# KiCad board keyboard.kicad_pcb (continued)
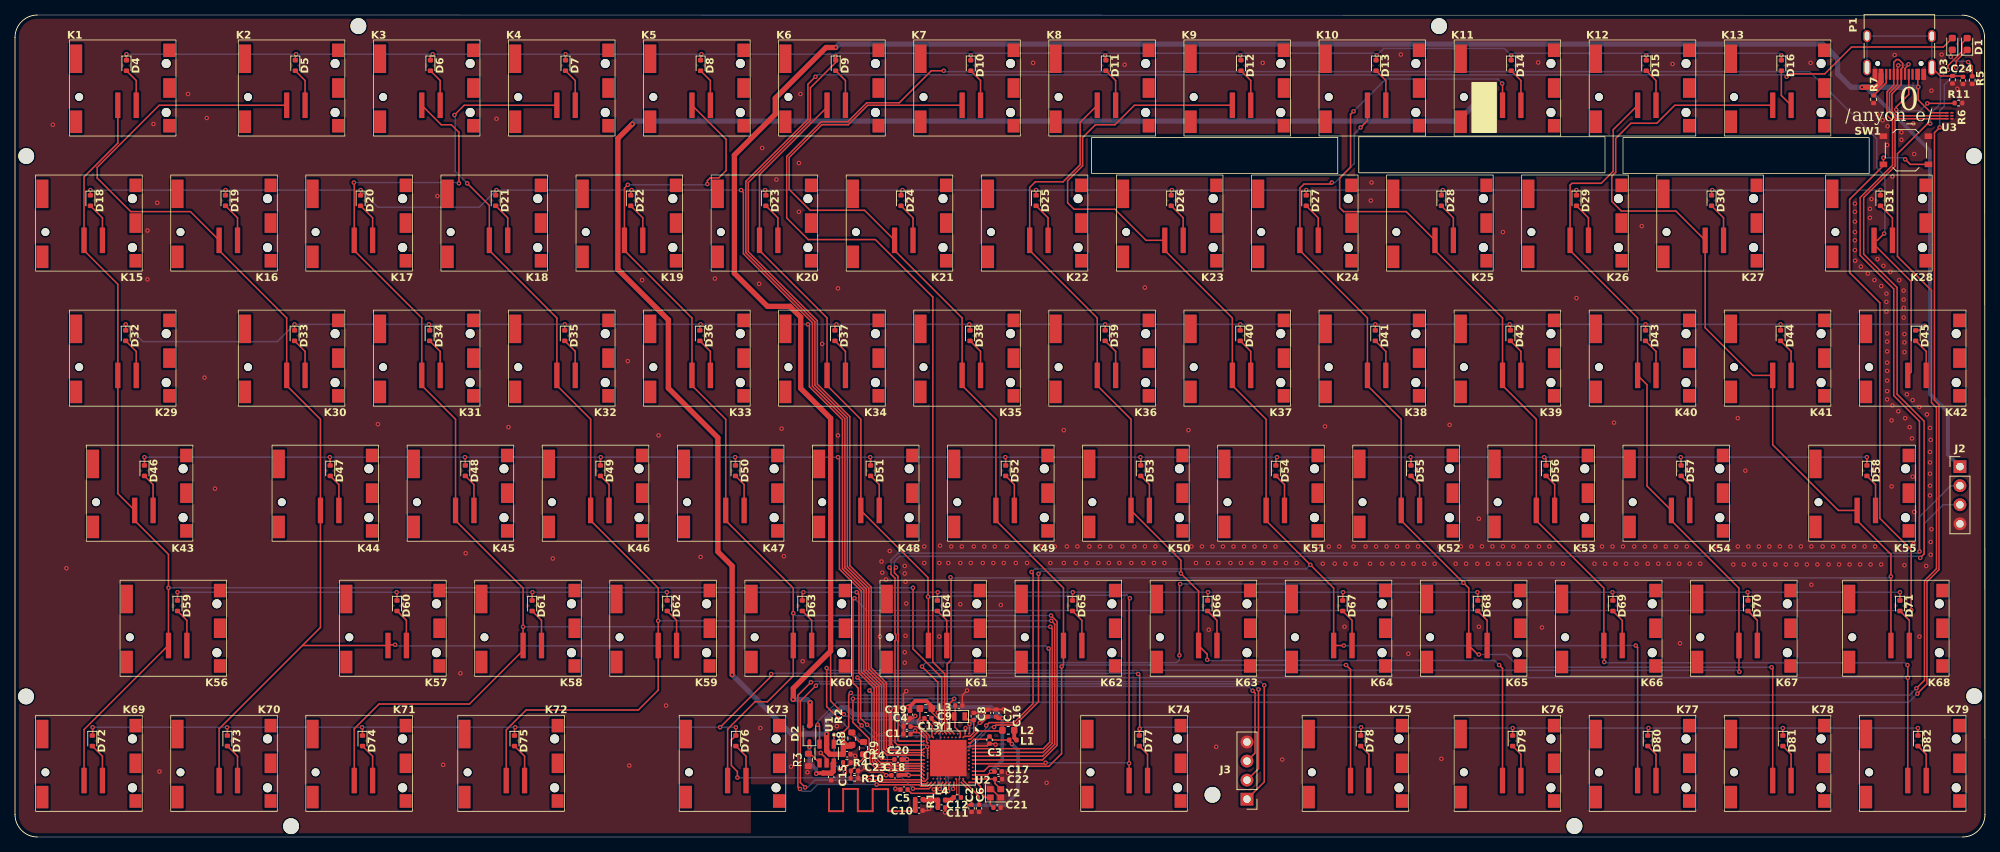
[diagram p0: board, top side]
## Nets (continued)
Net-(D64-A): D64.2 K61.2
Net-(D65-A): D65.2 K62.2
Net-(D66-A): D66.2 K63.2
Net-(D67-A): D67.2 K64.2
Net-(D68-A): D68.2 K65.2
Net-(D69-A): D69.2 K66.2
Net-(D70-A): D70.2 K67.2
Net-(D71-A): D71.2 K68.2
Net-(D72-A): D72.2 K69.2
Net-(D73-A): D73.2 K70.2
Net-(D74-A): D74.2 K71.2
Net-(D75-A): D75.2 K72.2
Net-(D76-A): D76.2 K73.2
Net-(D77-A): D77.2 K74.2
Net-(D78-A): D78.2 K75.2
Net-(D79-A): D79.2 K76.2
Net-(D80-A): D80.2 K77.2
Net-(D81-A): D81.2 K78.2
Net-(D82-A): D82.2 K79.2
Net-(L1-Pad2): L1.2 L2.1
Net-(P1-SHIELD): C24.1 P1.S1 R11.2
Net-(R8-Pad2): R8.2 R9.1
Net-(U1-ISET): R3.2 U1.4
Net-(U1-TS): R4.2 U1.1
Net-(U2-ANT): C12.2 L4.2 U2.H23
Net-(U2-DCC): L2.2 U2.B3
Net-(U2-DCCH): L3.2 U2.AB2
Net-(U2-DEC1): C7.1 U2.C1
Net-(U2-DEC3): C6.1 U2.D23
Net-(U2-DEC4): C2.2 C3.2 L1.1 U2.B5 U2.E24
Net-(U2-DEC5): C5.1 U2.N24
Net-(U2-DECUSB): C4.1 U2.AC5
Net-(U2-XC1): C21.1 U2.B24 Y2.1
Net-(U2-XC2): C22.1 U2.A23 Y2.3
Net-(U2-XL1/P0.00): C8.2 U2.D2 Y1.1
Net-(U2-XL2/P0.01): C9.2 U2.F2 Y1.2

Pads without a net: K1 3; K2 3; K3 3; K4 3; K5 3; K6 3; K7 3; K8 3; K9 3; K10 3; K11 3; K12 3; K13 3; K15 3; K16 3; K17 3; K18 3; K19 3; K20 3; K21 3; K22 3; K23 3; K24 3; K25 3; K26 3; K27 3; K28 3; K29 3; K30 3; K31 3; K32 3; K33 3; K34 3; K35 3; K36 3; K37 3; K38 3; K39 3; K40 3; K41 3; K42 3; K43 3; K44 3; K45 3; K46 3; K47 3; K48 3; K49 3; K50 3; K51 3; K52 3; K53 3; K54 3; K55 3; K56 3; K57 3; K58 3; K59 3; K60 3; K61 3; K62 3; K63 3; K64 3; K65 3; K66 3; K67 3; K68 3; K69 3; K70 3; K71 3; K72 3; K73 3; K74 3; K75 3; K76 3; K77 3; K78 3; K79 3; P1 A8 B8; U2 A18 AC15 AC17 AC19 B9 B11 B13 B15 B17 B19 G1 H2 K2 M2 P2 P23 R1 T2 T23 V23 Y23; U3 2 3

## Via types
v1: diameter 0.6, hole 0.3, Top to Bottom, 571 vias

## Routing (per net, layer and track width the routed paths; a pad name or vN(x,y) marks a point on that pad's centre or on a via; arc(x,y) is an arc through that point)
GND: length 35.2
  Top w0.127: R10.2 112.33,7.85 C23.1 112.81,8.82 v1(113.29,9.3) 113.94,8.65 115.65,8.65 v1(116.07,8.24) ; C20.1 115.68,10.32 v1(115.48,10.52) ; C14.2 111.75,11.02 v1(111.95,10.82)
  Top w0.2: v1(122.55,15.22) 122.13,15.64 C13.1 ; U1.5 108.15,10.42 v1(107.35,11.22) ; C10.1 121.55,3.52 v1(121.8,3.77) ; v1(130.65,12.32) 130.53,12.44 C3.1 129.55,12.15 127.22,12.15 U2.B7 ; C4.2 118.37,19.06 v1(118.75,19.44) ; C4.2 119.25,15.6 C19.1 119.67,15.84 v1(119.95,16.12) ; C4.2 C1.1 ; Y2.4 130.12,6.37 131.22,5.27 Y2.2 ; v1(126.85,19.52) 126.23,18.9 C9.1 ; v1(123.93,3.27) C11.1 ; v1(117.3,6.44) 117.85,6.44 C5.2 ; v1(110.58,8.68) 110.58,9.15 R4.1 ; v1(131.75,17.02) 131.73,17 C16.1 C7.2 129.2,16.55 C8.1 ; C18.1 116.08,8.22 v1(116.07,8.24)
  vias: v1(5.05,94.92) v1(6.85,35.82) v1(17.65,80.82) v1(17.65,74.32) v1(18.45,95.02) v1(18.95,84.52) v1(19.25,8.72) v1(23.05,99.02) v1(25.25,61.22) v1(25.55,95.82) v1(26.65,46.42) v1(48.35,55.02) v1(56.28,85.42) v1(57.05,9.62) v1(59.35,21.82) v1(60.05,37.82) v1(64.15,95.72) v1(65.75,54.62) v1(71.65,37.12) v1(81.65,63.42) v1(81.85,9.52) v1(83.55,74.22) v1(85.75,53.52) v1(86.75,17.52) v1(91.35,37.32) v1(93.25,74.42) v1(99.15,73.72) v1(99.3,14.52) v1(99.55,91.82) v1(101.45,87.62) v1(102.15,54.42) v1(102.45,37.42) v1(103.4,9.37) v1(104.45,89.82) v1(104.45,83.32) v1(104.65,99.02) v1(104.95,23.42) v1(105.58,8.62) v1(107.55,65.72) v1(109.51,14.78) v1(109.65,73.12) v1(109.65,53.52) v1(115.25,26.72) v1(115.45,36.72) v1(115.55,35.22) v1(116.05,34.32) v1(116.55,38.12) v1(118.55,36.12) v1(118.55,35.12) v1(118.55,24.62) v1(118.55,23.22) v1(118.65,34.02) v1(118.65,26.82) v1(118.75,31.12) v1(119.55,38.72) v1(121.15,38.72) v1(121.15,36.52) v1(123.15,36.52) v1(123.15,26.72) v1(123.25,38.82) v1(124.35,36.52) v1(124.75,38.72) v1(125.95,36.52) v1(125.95,31.02) v1(126.15,38.72) v1(127.35,36.52) v1(127.75,38.72) v1(128.95,36.52) v1(129.15,38.72) v1(130.35,36.52) v1(130.55,38.72) v1(131.35,30.92) v1(131.75,36.52) v1(132.15,38.72) v1(132.3,8.52) v1(133.35,36.52) v1(134.85,36.52) v1(135.45,14.12) v1(135.65,103.17) v1(136.75,38.72) v1(137.45,7.22) v1(137.95,36.52) v1(138.55,38.72) v1(139.75,54.22) v1(139.75,36.52) v1(140.15,38.72) v1(141.35,36.52) v1(141.55,38.72) v1(142.75,36.52) v1(143.15,38.72) v1(144.35,36.52) v1(144.55,38.72) v1(145.75,36.52) v1(145.95,38.72) v1(147.15,36.52) v1(147.55,38.72) v1(147.85,102.92) v1(148.75,36.52) v1(149.15,38.72) v1(150.35,36.52) v1(150.55,73.22) v1(150.55,38.72) v1(151.75,36.52) v1(151.95,38.72) v1(153.15,36.52) v1(155.15,38.72) v1(156.35,54.22) v1(156.75,38.72) v1(157.35,36.52) v1(158.15,38.72) v1(158.95,36.52) v1(159.05,27.62) v1(159.55,38.72) v1(160.05,12.02) v1(160.35,36.52) v1(160.95,38.72) v1(161.95,36.52) v1(162.35,38.72) v1(163.35,36.52) v1(163.75,38.72) v1(164.75,36.52) v1(165.15,38.72) v1(166.25,103.17) v1(166.35,36.52) v1(166.55,38.72) v1(167.95,38.72) v1(167.95,36.52) v1(168.85,10.32) v1(169.35,36.52) v1(170.75,36.52) v1(172.25,38.72) v1(173.65,38.72) v1(174.25,36.42) v1(174.55,54.72) v1(175.05,38.72) v1(175.85,36.42) v1(176.45,38.72) v1(177.15,28.02) v1(177.25,36.42) v1(178.35,38.72) v1(178.65,36.42) v1(179.95,38.72) v1(180.55,36.42) v1(180.65,84.82) v1(180.75,87.22) v1(181.35,38.72) v1(182.15,36.42) v1(182.75,38.72) v1(183.55,36.42) v1(184.15,38.72) v1(184.65,104.27) v1(184.95,36.42) v1(185.55,38.72) v1(185.65,24.42) v1(186.35,36.42) v1(186.95,38.72) v1(187.75,36.42) v1(189.15,36.42) v1(189.75,38.72) v1(190.05,10.42) v1(191.15,54.92) v1(191.15,38.72) v1(191.95,36.42) v1(192.65,38.72) v1(193.35,36.42) v1(194.05,38.72) v1(194.85,96.22) v1(194.85,95.42) v1(194.85,94.62) v1(194.85,36.42) v1(195.05,42.42) v1(195.05,28.02) v1(195.45,38.72) v1(195.75,96.22) v1(195.75,95.42) v1(195.75,94.62) v1(196.25,36.42) v1(196.65,96.22) v1(196.65,95.42) v1(196.65,94.62) v1(196.85,38.72) v1(197.65,36.42) v1(198.25,80.62) v1(198.25,38.72) v1(199.05,36.42) v1(199.65,38.72) v1(200.45,36.42) v1(201.45,38.72) v1(201.85,36.42) v1(202.95,103.22) v1(203.05,38.72) v1(203.25,36.42) v1(203.45,27.92) v1(204.45,38.72) v1(204.85,36.42) v1(206.25,36.42) v1(208.05,71.82) v1(208.65,38.72) v1(210.05,38.72) v1(210.45,36.42) v1(211.45,38.72) v1(211.85,36.42) v1(212.85,38.72) v1(213.05,55.22) v1(213.25,36.42) v1(214.25,38.72) v1(214.65,36.42) v1(215.75,38.72) v1(216.05,36.42) v1(216.75,81.42) v1(217.15,38.72) v1(217.55,36.42) v1(218.55,38.72) v1(218.95,36.42) v1(219.95,38.72) v1(220.35,36.42) v1(220.85,103.02) v1(221.35,38.72) v1(221.75,36.42) v1(221.85,25.82) v1(222.75,38.72) v1(223.15,36.42) v1(224.55,36.42) v1(226.55,38.72) v1(228.15,38.72) v1(228.95,36.32) v1(229.55,55.82) v1(229.55,38.72) v1(230.35,36.32) v1(230.55,48.82) v1(230.95,38.72) v1(231.75,36.32) v1(232.35,38.72) v1(233.15,36.32) v1(233.75,38.72) v1(234.55,36.32) v1(235.15,38.72) v1(235.95,36.32) v1(236.55,38.72) v1(237.35,36.32) v1(237.95,38.72) v1(238.75,36.32) v1(239.25,103.17) v1(239.35,38.72) v1(239.35,33.62) v1(240.15,36.32) v1(240.85,38.72) v1(241.65,36.32) v1(242.25,38.72) v1(243.05,36.32) v1(243.65,38.72) v1(244.45,36.32) v1(245.05,38.72) v1(245.15,84.42) v1(245.15,83.32) v1(245.15,82.02) v1(245.15,80.62) v1(245.15,79.52) v1(245.15,78.22) v1(245.17,76.8) v1(245.85,36.32) v1(245.95,76.02) v1(246.45,38.72) v1(246.87,75.1) v1(247.15,83.72) v1(247.15,82.52) v1(247.25,36.32) v1(247.35,85.02) v1(247.75,74.22) v1(247.85,38.72) v1(248.15,96.32) v1(248.15,77.02) v1(248.65,73.42) v1(248.65,36.32) v1(248.85,95.52) v1(248.95,76.12) v1(249.35,72.42) v1(249.35,71.32) v1(249.35,70.02) v1(249.45,92.22) v1(249.45,67.12) v1(249.45,66.02) v1(249.45,64.72) v1(249.45,63.22) v1(249.45,62.12) v1(249.45,60.82) v1(249.45,59.42) v1(249.45,58.32) v1(249.5,94.72) v1(249.85,75.32) v1(250.05,55.52) v1(250.05,46.72) v1(250.15,88.02) v1(250.15,57.52) v1(250.45,104.21) v1(250.75,38.72) v1(250.93,56.74) v1(251.05,74.22) v1(251.35,93.92) v1(251.35,92.92) v1(251.65,72.82) v1(251.65,71.62) v1(251.65,70.52) v1(251.65,69.22) v1(251.75,67.02) v1(251.75,65.92) v1(251.75,64.62) v1(251.75,36.22) v1(251.85,55.82) v1(252.07,59) v1(252.45,54.62) v1(252.75,53.12) v1(252.85,58.22) v1(252.85,48.02) v1(252.93,95.1) v1(252.95,39.02) v1(253.05,91.02) v1(253.05,43.32) v1(253.75,57.32) v1(253.75,26.72) v1(254.65,36.12) v1(254.75,56.32) v1(255.15,54.52) v1(255.15,51.32) v1(255.15,49.92) v1(255.15,48.42) v1(255.15,46.82) v1(255.15,45.52) v1(255.25,52.92) v1(255.25,39.32) v1(255.25,37.62) v1(255.35,99.47) v1(255.35,41.02) v1(256.71,104.28) v1(258.8,99.72)
VBAT: length 239.3
  Top w0.2: U2.Y2 122.18,13.44 122.18,14.81 C13.2 121.17,15.72 v1(120.78,15.33)
  Top w0.7: v1(82.25,95.02) 80.33,93.1 80.33,75.64 87.05,68.92 87.05,59.82 93.65,53.22 93.65,38.02 95.55,36.12 v1(95.55,21.62) ; v1(108.15,13.72) U1.2 108.15,11.45 108.58,11.02 C14.1 110.36,12.61 R2.1 110.86,12.11 111.45,12.11
  Bottom w0.7: v1(82.25,95.02) 82.64,95.41 192.24,95.41 TP5.1 ; v1(120.78,15.33) 120.76,15.34 118.33,15.34 117.35,16.32 111.77,16.32 111.42,16.66 111.29,16.66 111.29,16.71 110.79,17.21 110.09,17.21 109.63,16.75 109.13,16.75 108.15,15.77 v1(108.15,13.72) 103.45,13.72 v1(95.55,21.62)
  vias: v1(194.85,99.82) v1(194.85,99.02) v1(194.85,98.22) v1(195.75,99.82) v1(195.75,99.02) v1(195.75,98.22) v1(196.65,99.82) v1(196.65,99.02) v1(196.65,98.22)
VBUS: length 346.2
  Top w0.2: v1(119.94,14.18) 119.94,14.03 120.05,13.92 ; v1(110.44,16.36) 108.67,18.13 108.67,24.78 ; U2.AD2 120.45,13.92 120.05,13.92 ; U3.4 255.3,96.52 253.58,98.24 v1(253.58,99.96) 253.53,100.01 P1.A4 ; 120.05,13.92 119.53,13.92 C1.2
  Top w0.7: D2.2 105.95,14.92 v1(105.95,17.92) ; P1.A9 248.63,100.63 247.92,99.92 v1(246.09,99.92) ; v1(109.35,105.22) 108.06,105.22 101.3,98.46 101.3,96.33 95.85,90.88 95.85,75.12 100.25,70.72 103.25,70.72 104.69,69.28 104.69,59.78 108.67,55.8 108.67,24.78 103.7,19.81 103.7,18.36 v1(103.67,18.33)
  Bottom w0.2: v1(110.44,16.36) 110.72,16.09 111.18,16.09 111.64,15.63 117.22,15.63 118.67,14.18 v1(119.94,14.18)
  Bottom w0.5: 247.55,99.07 255.15,91.47 255.15,85.56 255.2,85.51 255.2,84.65 255.15,84.6 255.15,79.04 255.2,78.99 255.2,78.13 255.15,78.08 255.15,59.02 257.55,56.62 257.55,50.96 J2.1
  Bottom w0.7: v1(246.09,99.92) 246.7,99.92 247.55,99.07 ; v1(246.09,99.92) 244.64,99.92 242.84,101.72 242.84,103.73 240.9,105.67 109.8,105.67 v1(109.35,105.22) ; v1(246.09,99.92) 253.54,99.92 v1(253.58,99.96) ; v1(105.95,17.92) 105.54,18.33 v1(103.67,18.33)
VDD_NRF: length 60.3
  Top w0.2: U2.AD23 120.65,8.22 C18.2 ; U2.W1 123.15,14.32 123.15,15.63 122.14,16.65 L3.1 ; U2.AD14 118.94,10.27 v1(118.85,10.36) ; U2.B1 127.18,13.85 v1(127.18,15.05) ; U2.A22 129.6,8.27 v1(130.05,8.72)
  Top w0.5: v1(130.05,8.72) C17.2 ; C18.2 117.79,8.28 119.02,8.28 v1(119.07,8.24) ; 119.25,17.42 119.95,18.12 121.45,18.12 122.14,17.43 L3.1 ; 119.25,17.42 119.05,17.42 v1(118.95,17.32) ; 119.25,17.42 C19.2 ; C20.2 118.81,10.32 v1(118.85,10.36) ; C16.2 130.97,15.82 v1(131.55,15.82) ; v1(116.65,17.1) 116.65,12.23 v1(116.78,12.1)
  Bottom w0.5: v1(116.78,12.1) 117.58,11.3 117.91,11.3 v1(118.85,10.36) 118.85,8.46 v1(119.07,8.24) ; v1(131.55,15.82) 131.55,10.22 v1(130.05,8.72) ; v1(131.55,15.82) 130.05,17.32 v1(118.95,17.32) 116.87,17.32 v1(116.65,17.1) ; v1(131.55,15.82) 131.32,16.05 128.18,16.05 v1(127.18,15.05)
VSS_PA: length 2.3
  Top w0.127: U2.F23 125.78,7.7 125.78,5.52
/Key Matrix/Col_0: length 221.6
  Top w0.2: U2.U1 123.48,14.15 123.48,21.24 119.65,25.07 v1(119.65,33.22) ; K1.1 13.7,92.47 9.2,87.97 K15.1 9.2,78.17 13.7,73.67 K29.1 13.7,45.77 K43.1 15.95,42.17 20.45,37.67 v1(20.45,33.22) K56.1 20.4,25.52 9.2,14.32 K69.1
  Bottom w0.2: v1(119.65,33.22) v1(20.45,33.22)
/Key Matrix/Col_1: length 255.8
  Top w0.2: v1(50.65,25.62) 49.8,25.62 K57.1 38.3,25.52 ; v1(137.72,25.12) 137.87,24.97 137.87,12.63 137.01,11.77 U2.A8 ; 38.3,25.52 27.2,14.42 K70.1 ; 38.3,25.52 40.7,27.92 K44.1 40.7,55.67 36.2,60.17 K30.1 36.2,69.17 27.2,78.17 K16.1 23.37,83.35 15.42,83.35 10.95,87.82 10.95,89.26 19.21,97.52 K2.1
  Bottom w0.2: v1(137.72,25.12) 137.38,25.46 50.81,25.46 v1(50.65,25.62)
/Key Matrix/Col_2: length 229.7
  Top w0.2: v1(137.95,28.02) 138.19,27.77 138.19,12.49 136.97,11.27 U2.A10 ; K3.1 56.8,94.92 58.15,94.92 59.15,93.92 v1(59.15,87.12) ; K71.1 45.2,14.42 48.5,17.72 60.55,17.72 67.7,24.87 K58.1 v1(67.7,28.02) 67.7,33.17 58.7,42.17 K45.1 58.7,55.67 54.2,60.17 K31.1 54.2,69.17 45.2,78.17 K17.1 45.2,87.17 v1(45.15,87.22)
  Bottom w0.2: v1(137.95,28.02) v1(67.7,28.02) ; v1(45.15,87.22) 59.05,87.22 v1(59.15,87.12)
/Key Matrix/Col_3: length 211.9
  Top w0.2: K4.1 59.85,97.52 v1(58.55,96.22) ; v1(138.07,28.82) 138.52,28.37 138.52,12.36 136.94,10.77 U2.A12 ; K72.1 65.45,14.27 68.1,16.92 83.05,16.92 85.7,19.57 K59.1 v1(85.7,28.82) 85.7,33.17 76.7,42.17 K46.1 76.7,55.67 72.2,60.17 K32.1 72.2,69.17 63.2,78.17 K18.1 63.2,84.17 v1(60.25,87.12)
  Bottom w0.2: v1(60.25,87.12) 58.65,88.72 58.65,96.12 v1(58.55,96.22) ; v1(138.07,28.82) 85.7,28.82 v1(85.7,28.82)
/Key Matrix/Col_4: length 182.4
  Top w0.2: K73.1 94.95,14.37 98.6,18.02 100.25,18.02 103.7,21.47 K60.1 v1(103.7,29.82) 103.7,33.17 94.7,42.17 K47.1 94.7,55.67 90.2,60.17 K33.1 90.2,69.17 81.2,78.17 K19.1 81.2,86.47 v1(81.65,86.92) ; v1(92.25,87.02) 92.25,87.47 92.62,87.85 93.78,87.85 94.75,88.82 94.75,92.97 K5.1 ; v1(138.05,29.52) 138.85,28.72 138.85,12.22 136.9,10.27 U2.A14
  Bottom w0.2: v1(138.05,29.52) 104,29.52 v1(103.7,29.82) ; v1(92.25,87.02) 92.15,86.92 v1(81.65,86.92)
/Key Matrix/Col_5: length 157.6
  Top w0.2: v1(137.32,9.9) 137.2,9.77 U2.A16 ; K6.1 108.2,97.27 99.2,88.27 K20.1 99.2,78.17 108.2,69.17 K34.1 108.2,60.17 112.7,55.67 K48.1 121.65,34.57 v1(121.65,32.02) 121.7,31.97 K61.1 ; v1(148.55,31.82) 148.45,31.72 v1(148.45,9.82) K74.1
  Bottom w0.2: v1(148.55,31.82) 148.15,32.22 141.4,32.22 141.2,32.02 140.7,32.02 140.6,32.12 123.3,32.12 123.2,32.02 v1(121.65,32.02) ; v1(148.45,9.82) 148.37,9.9 v1(137.32,9.9)
/Key Matrix/Col_6: length 191.3
  Top w0.2: v1(177.35,22.92) 177.95,22.32 K75.1 ; U2.A20 129.1,8.77 129.75,9.42 137.75,9.42 139.45,11.12 v1(139.45,22.72) 139.7,22.97 K62.1 139.7,33.17 130.7,42.17 K49.1 130.7,55.67 126.2,60.17 K35.1 126.2,69.17 117.2,78.17 K21.1 113.2,83.52 105.94,83.52 103.15,86.31 103.15,90.57 107.5,94.92 111.02,94.92 113.62,97.52 K7.1
  Bottom w0.2: v1(139.45,22.72) 139.65,22.92 v1(177.35,22.92)
/Key Matrix/Col_7: length 200.1
  Top w0.2: U2.J24 125.1,6.54 v1(124.98,6.42) ; v1(197.75,22.92) 198.2,22.47 K76.1 ; K8.1 141.92,95.24 141.92,89.59 139.65,87.32 135.95,87.32 135.2,86.57 K22.1 135.2,78.17 144.2,69.17 K36.1 144.2,60.17 148.7,55.67 K50.1 155.35,36.87 v1(155.35,35.12) 157.7,32.77 K63.1 158.85,24.37 v1(158.85,23.62) ; v1(130.45,14.65) 130.72,14.92 133.25,14.92 136.37,18.04 v1(136.37,35.08)
  Bottom w0.2: v1(197.75,22.92) 197.15,23.52 158.95,23.52 v1(158.85,23.62) ; v1(136.37,35.08) 136.69,35.39 155.08,35.39 v1(155.35,35.12) ; v1(124.98,6.42) 124.35,7.05 124.35,8.95 130.05,14.65 v1(130.45,14.65)
/Key Matrix/Col_8: length 243
  Top w0.2: U2.L24 124.43,7.1 124.43,6.2 v1(124.33,6.1) ; K77.1 216.2,25.27 v1(215.95,25.52) ; v1(135.45,35.32) 135.65,35.12 135.65,17.78 133.11,15.25 129.81,15.25 v1(129.41,14.85) ; v1(177.05,25.52) K64.1 175.7,33.17 v1(172.6,36.27) 166.7,42.17 K51.1 166.7,55.67 162.2,60.17 K37.1 162.2,69.17 153.2,78.17 K23.1 150.69,79.52 146.55,83.67 141.1,83.67 140.25,84.52 140.25,87.46 142.25,89.46 142.25,93.22 143.95,94.92 146.55,94.92 149.15,97.52 K9.1
  Bottom w0.2: v1(124.33,6.1) 124.02,6.41 124.02,9.09 129.41,14.48 v1(129.41,14.85) ; v1(215.95,25.52) 213.87,25.52 213.86,25.51 177.06,25.51 v1(177.05,25.52) ; v1(172.6,36.27) 172.05,35.72 135.85,35.72 v1(135.45,35.32)
/Key Matrix/Col_9: length 245.1
  Top w0.2: v1(155.15,24.22) 155.15,33.62 v1(155.25,33.72) ; v1(234.05,22.62) 234.2,22.47 K78.1 ; v1(123.22,6.4) 123.43,6.61 123.43,7.1 U2.R24 ; v1(175.45,87.22) 175.25,87.02 171.75,87.02 171.2,86.47 K24.1 171.2,78.17 180.2,69.17 K38.1 180.2,60.17 184.7,55.67 K52.1 184.7,42.17 v1(193,33.87) 193.7,33.17 K65.1 194.9,24.32 v1(195.05,24.32) ; K10.1 180.2,95.47 v1(179.29,94.56) ; v1(120.85,22.72) 122.95,20.62 v1(122.95,16.58)
  Bottom w0.2: v1(120.85,22.72) 121.38,23.25 154.78,23.25 155.15,23.62 v1(155.15,24.22) ; v1(195.05,24.32) 198.72,24.32 200.42,22.62 v1(234.05,22.62) ; v1(193,33.87) 192.85,33.72 v1(155.25,33.72) ; v1(175.45,87.22) 175.9,87.22 178.45,89.77 178.45,93.72 v1(179.29,94.56) ; v1(123.22,6.4) 123.3,6.48 123.3,16.23 v1(122.95,16.58)
/Key Matrix/Col_10: length 338.8
  Top w0.2: v1(211.75,23.32) 211.75,24.12 211.7,24.17 K66.1 211.7,33.17 202.7,42.17 K53.1 202.7,55.67 198.2,60.17 K39.1 198.2,69.17 189.2,78.17 K25.1 185.37,83.35 177.02,83.35 176.5,83.87 176.5,87.82 177.95,89.27 177.95,96.32 v1(178.35,96.72) ; v1(112.25,21.25) 112.67,20.83 112.67,15.83 v1(113.54,14.95) ; K11.1 198.2,100.37 v1(198.15,100.42) ; v1(122.42,6.35) 123.1,7.02 U2.U24 ; K79.1 v1(252.2,21.22) 252.2,22.87 v1(252.15,22.92)
  Bottom w0.2: v1(112.25,21.25) 112.25,21.24 252.18,21.24 v1(252.2,21.22) ; v1(178.35,96.72) 182.65,101.02 197.55,101.02 v1(198.15,100.42) ; v1(113.54,14.95) 115,13.5 121.21,13.5 122.95,11.75 122.95,6.88 v1(122.42,6.35) ; v1(211.75,23.32) 211.85,23.22 251.85,23.22 v1(252.15,22.92)
/Key Matrix/Col_11: length 237.7
  Top w0.2: v1(119.65,6.44) 119.65,6.44 121.77,6.44 U2.W24 ; v1(109.77,15.76) 108.15,17.38 v1(108.15,22.52) ; K12.1 212.95,94.27 212.95,88.72 211.35,87.12 207.45,87.12 207.2,86.87 K26.1 207.2,78.17 216.2,69.17 K40.1 217.45,60.27 217.45,46.77 K54.1 220.7,42.17 229.7,33.17 K67.1 229.7,22.07 v1(229.75,22.02)
  Bottom w0.2: v1(108.15,22.52) 108.47,22.19 149.45,22.19 149.45,22.2 229.57,22.2 v1(229.75,22.02) ; v1(109.77,15.76) 114.29,11.24 115.87,11.24 116.23,10.88 116.23,9.86 v1(119.65,6.44)
/Key Matrix/Col_12: length 259.9
  Top w0.2: U2.L1 124.2,14.17 124.2,23.07 124.73,23.59 124.73,34.54 v1(124.65,34.62) ; K68.1 v1(249.95,34.72) 249.95,37.67 245.45,42.17 K55.1 242.95,43.52 234.2,52.27 K41.1 231.55,61.52 225.2,67.87 K27.1 221.3,83.42 214.04,83.42 212.75,84.71 212.75,88.06 213.28,88.58 213.28,93.1 215.3,95.12 218.75,95.12 221.15,97.52 K13.1
  Bottom w0.2: v1(249.95,34.72) 249.75,34.52 124.75,34.52 v1(124.65,34.62)
/Key Matrix/Col_13: length 279.8
  Top w0.2: K42.1 252.65,61.97 252.65,74.02 247.7,78.97 K28.1 248.15,79.52 v1(249.05,80.42) ; U2.N1 123.87,14 123.87,21.75 122.29,23.33 122.29,71.96 114.63,79.62 105.69,79.62 102.82,82.49 102.82,90.7 107.44,95.32 110.95,95.32 113.48,97.85 117.81,97.85 122.09,102.12 v1(123.75,102.12)
  Bottom w0.2: v1(123.75,102.12) 123.87,102 239.12,102 248.05,93.07 248.05,89.22 249.15,88.12 249.15,80.52 v1(249.05,80.42)
/Key Matrix/Row_0: length 341.9
  Top w0.2: D15.1 v1(217.35,104.17) ; D13.1 181.35,104.07 v1(181.45,104.17) ; v1(109.31,104.06) 109.35,104.02 D9.1 109.35,103.22 105.98,99.85 105.98,95.51 97.7,87.24 97.7,78.01 106.9,68.81 106.9,60.35 111.23,56.03 111.23,36.17 114.08,33.31 114.08,22.55 116.11,20.52 116.11,11.89 116.42,11.57 120.9,11.57 U2.AD8 ; D8.1 91.35,104.22 v1(91.45,104.32) ; D14.1 v1(199.35,104.17) ; D12.1 163.35,104.07 v1(163.25,104.17) ; v1(55.65,104.32) 55.35,104.02 D6.1 ; v1(37.45,104.32) 37.35,104.22 D5.1 ; D4.1 v1(14.85,104.32) ; v1(145.25,104.17) 145.35,104.07 D11.1 ; D10.1 v1(127.35,104.17) ; D16.1 v1(235.35,104.17) ; D7.1 v1(73.35,104.32)
  Bottom w0.2: v1(235.35,104.17) 235.08,104.44 217.62,104.44 v1(217.35,104.17) 217.08,104.44 199.62,104.44 v1(199.35,104.17) 198.43,105.09 182.37,105.09 v1(181.45,104.17) 181.18,104.44 163.52,104.44 v1(163.25,104.17) 162.98,104.44 145.52,104.44 v1(145.25,104.17) 144.98,104.44 127.62,104.44 v1(127.35,104.17) 127.08,104.44 109.31,104.44 109.5,104.25 v1(109.31,104.06) 109.05,104.32 v1(91.45,104.32) v1(73.35,104.32) v1(55.65,104.32) v1(37.45,104.32) v1(14.85,104.32)
/Key Matrix/Row_1: length 338.9
  Top w0.2: D22.1 82.05,86.12 v1(82.15,86.22) ; v1(99.95,86.22) 100.05,86.12 D23.1 ; D19.1 v1(28.05,86.22) ; D30.1 226.05,86.12 v1(226.15,86.22) ; U2.AD12 120.95,10.92 116.15,10.92 115.45,11.62 115.45,13.79 115.45,20.25 113.43,22.27 113.43,33.04 110.58,35.9 110.58,55.76 106.25,60.08 106.25,68.54 97.05,77.74 97.05,85.92 v1(96.75,86.22) ; D25.1 v1(136.05,86.22) ; v1(190.25,86.22) 190.05,86.02 D28.1 ; D24.1 118.05,86.02 v1(118.25,86.22) ; D18.1 v1(10.05,86.22) ; D29.1 v1(208.05,86.22) ; D20.1 v1(46.05,86.22) ; D26.1 154.05,86.12 v1(154.15,86.22) ; D27.1 v1(172.05,86.22) ; v1(64.15,86.22) 64.05,86.12 D21.1 ; D31.1 v1(248.55,86.22)
  Bottom w0.2: v1(248.55,86.22) v1(226.15,86.22) v1(208.05,86.22) v1(190.25,86.22) v1(172.05,86.22) v1(154.15,86.22) v1(136.05,86.22) v1(118.25,86.22) v1(99.95,86.22) v1(96.75,86.22) v1(82.15,86.22) v1(64.15,86.22) 61.85,83.92 48.35,83.92 v1(46.05,86.22) v1(28.05,86.22) v1(10.05,86.22)
/Key Matrix/Row_2: length 322.2
  Top w0.2: v1(254.45,68.12) 253.85,67.52 D45.1 ; D41.1 v1(181.25,68.32) ; U2.AD16 121.09,9.78 116.87,9.78 116.73,9.92 115.29,9.92 114.91,10.3 114.91,10.8 115.13,11.02 115.13,13.65 115.13,13.65 115.13,20.12 113.1,22.14 113.1,32.91 110.25,35.76 110.25,55.62 105.85,60.02 105.85,68.12 v1(105.65,68.32) ; v1(91.35,68.32) 91.25,68.22 D36.1 ; D34.1 55.25,68.22 v1(55.15,68.32) ; v1(109.45,68.32) 109.25,68.12 D37.1 ; D38.1 127.25,68.22 v1(127.15,68.32) ; D39.1 v1(145.25,68.32) ; D32.1 v1(14.75,68.32) ; D40.1 v1(163.25,68.32) ; D43.1 v1(217.25,68.32) ; v1(199.15,68.32) 199.25,68.22 D42.1 ; D44.1 v1(235.25,68.32) ; D33.1 v1(37.25,68.32) ; D35.1 v1(73.25,68.32)
  Bottom w0.2: v1(14.75,68.32) 17.05,66.02 34.95,66.02 v1(37.25,68.32) v1(55.15,68.32) v1(73.25,68.32) v1(91.35,68.32) v1(105.65,68.32) v1(109.45,68.32) v1(127.15,68.32) v1(145.25,68.32) v1(163.25,68.32) v1(181.25,68.32) v1(199.15,68.32) v1(217.25,68.32) v1(235.25,68.32) 254.25,68.32 v1(254.45,68.12)
/Key Matrix/Row_3: length 293.7
  Top w0.2: D51.1 114,50.57 v1(113.95,50.62) ; D52.1 132,50.57 v1(131.95,50.62) ; D56.1 204,50.37 v1(203.75,50.62) ; v1(109.65,50.62) 109.85,50.42 109.85,35.7 112.78,32.77 112.78,22 114.8,19.98 114.8,13.52 114.8,13.52 114.8,11.15 114.58,10.93 114.58,10.17 115.15,9.59 116.6,9.59 116.74,9.46 120.91,9.46 U2.AD18 ; v1(41.95,50.62) 42,50.57 D47.1 ; D48.1 60,50.57 v1(59.95,50.62) ; D53.1 150,50.57 v1(149.95,50.62) ; v1(95.95,50.62) 96,50.57 D50.1 ; D57.1 222,50.57 v1(221.95,50.62) ; D54.1 168,50.47 v1(168.15,50.62) ; D55.1 186,50.57 v1(185.95,50.62) ; D49.1 78,50.57 v1(78.05,50.62) ; D58.1 v1(246.75,50.62) ; v1(17.25,50.62) D46.1
  Bottom w0.2: v1(246.75,50.62) v1(221.95,50.62) v1(203.75,50.62) v1(185.95,50.62) v1(168.15,50.62) v1(149.95,50.62) v1(131.95,50.62) v1(113.95,50.62) v1(109.65,50.62) v1(95.95,50.62) v1(78.05,50.62) v1(59.95,50.62) v1(41.95,50.62) v1(17.25,50.62)
/Key Matrix/Row_4: length 275.1
  Top w0.2: D62.1 86.9,32.57 v1(86.85,32.62) ; v1(112.15,32.62) 112.45,32.32 112.45,21.87 114.47,19.85 114.47,13.38 114.47,13.38 114.47,11.29 114.25,11.07 114.25,10.03 115.02,9.27 116.46,9.27 116.6,9.13 120.74,9.13 U2.AD20 ; D65.1 140.9,32.57 v1(140.95,32.62) ; D64.1 122.9,32.57 v1(122.95,32.62) ; D69.1 212.9,32.57 v1(212.85,32.62) ; v1(50.85,32.62) 50.9,32.57 D60.1 ; v1(230.85,32.62) 230.9,32.57 D70.1 ; D71.1 v1(251.15,32.62) ; D68.1 194.9,32.57 v1(194.85,32.62) ; v1(176.95,32.62) 176.9,32.57 D67.1 ; v1(68.95,32.62) 68.9,32.57 D61.1 ; D63.1 104.9,32.47 v1(105.05,32.62) ; v1(158.95,32.62) 158.9,32.57 D66.1 ; v1(21.65,32.62) D59.1
  Bottom w0.2: v1(21.65,32.62) v1(50.85,32.62) v1(68.95,32.62) v1(86.85,32.62) v1(105.05,32.62) v1(112.15,32.62) v1(122.95,32.62) v1(140.95,32.62) v1(158.95,32.62) v1(176.95,32.62) v1(194.85,32.62) v1(212.85,32.62) v1(230.85,32.62) v1(251.15,32.62)
/Key Matrix/Row_5: length 300.3
  Top w0.2: D77.1 149.8,14.37 v1(149.85,14.42) 149.85,21.52 v1(149.65,21.72) ; D78.1 179.35,13.57 v1(179.35,14.62) ; v1(66.65,14.62) 66.55,14.52 D75.1 ; v1(28.25,14.62) 28.3,14.57 D73.1 ; v1(46.25,14.62) 46.3,14.57 D74.1 ; v1(113.22,8.1) 114.95,8.1 115.43,7.62 120.75,7.62 120.95,7.42 121.24,7.42 121.6,7.77 U2.AC21 ; D82.1 v1(253.55,14.52) ; v1(100.75,21.72) 100.75,21.42 v1(93.95,14.62) ; v1(96.25,7.92) 96.25,8.72 95.45,9.52 95.45,12.92 D76.1 v1(96.05,14.62) ; D72.1 10.35,13.57 v1(10.35,14.62) ; D81.1 v1(235.55,14.52) ; v1(217.65,14.52) 217.55,14.42 D80.1 ; D79.1 v1(199.55,14.52)
  Bottom w0.2: v1(113.22,8.1) 113.02,7.9 96.27,7.9 v1(96.25,7.92) ; v1(100.75,21.72) 100.85,21.82 149.55,21.82 v1(149.65,21.72) ; v1(253.55,14.52) v1(235.55,14.52) v1(217.65,14.52) v1(199.55,14.52) 179.45,14.52 v1(179.35,14.62) 150.05,14.62 v1(149.85,14.42) ; v1(10.35,14.62) v1(28.25,14.62) v1(46.25,14.62) v1(66.65,14.62) v1(96.05,14.62)
/nRF52840/ANT: length 1.5
  Top w0.62: C10.2 119.94,3.55 R1.2
/nRF52840/CC1: length 13.7
  Top w0.2: v1(250.65,96.93) 250.65,97.29 252.33,98.97 P1.A5 ; R6.1 258.39,97.77 v1(254.8,97.77)
  Bottom w0.2: v1(254.8,97.77) 253.82,96.79 250.79,96.79 v1(250.65,96.93)
/nRF52840/CC2: length 3.5
  Top w0.2: P1.B5 249.33,100.51 247.64,98.82 R7.1
BAT_VOLT: length 31.2
  Top w0.2: v1(125.15,18.42) 124.53,17.8 124.53,14.34 U2.J1 ; R10.1 111.37,7.85 C23.2 113.06,10.51 R9.2 113.82,11.78 113.82,13.11 111.64,15.28 v1(111.64,18.42)
  Bottom w0.2: v1(125.15,18.42) v1(111.64,18.42)
BLUE_LED: length 260.4
  Top w0.2: U2.AD10 121.08,11.25 116.28,11.25 115.78,11.75 115.78,13.92 115.78,13.92 115.78,20.39 113.76,22.41 113.76,33.18 110.9,36.03 110.9,55.89 106.58,60.22 106.58,68.67 97.38,77.87 97.38,87.37 105.65,95.64 105.65,100.32 v1(106.65,101.32) ; v1(236.05,101.32) 236.43,101.7 241.12,101.7 244.7,105.28 256.93,105.28 D3.2
  Bottom w0.2: v1(106.65,101.32) 106.9,101.57 235.8,101.57 v1(236.05,101.32)
RESET: length 242.4
  Top w0.2: v1(121.55,12.02) 121.6,11.97 U2.AC9 U2.AC13 ; v1(112.81,14.86) 112.34,15.33 112.34,19.84 111.65,20.54 111.65,31.62 v1(111.85,31.82) ; v1(252.65,30.22) 252.65,38.29 248.48,42.46 248.48,71.19 244.45,75.22 244.45,84.97 248.95,89.47 SW1.1 v1(248.95,90.52) ; SW1.1 252.52,89.65 v1(251.85,90.32)
  Bottom w0.2: v1(121.55,12.02) 120.72,12.84 114.82,12.84 v1(112.81,14.86) ; v1(252.65,30.22) 252.61,30.18 113.49,30.18 v1(111.85,31.82) ; v1(251.85,90.32) 251.65,90.52 v1(248.95,90.52)
SWC: length 110.2
  Top w0.2: v1(106.05,20.62) 104.31,18.88 104.31,6.67 v1(104.58,6.4) ; J3.1 166.45,7.34 v1(166.45,20.22) ; U2.AA24 121.59,6.76 120.68,6.76 120.48,6.97 114.83,6.97 v1(114.8,6.99)
  Bottom w0.2: v1(114.8,6.99) 106.92,6.99 106.02,6.09 104.89,6.09 v1(104.58,6.4) ; v1(106.05,20.62) 106.15,20.72 165.95,20.72 v1(166.45,20.22)
SWD: length 103.8
  Top w0.2: v1(165.68,19.67) 165.68,9.12 J3.2 ; v1(106.71,20.16) 104.64,18.1 104.64,7.26 v1(105.28,6.62) ; U2.AC24 121.42,7.09 120.82,7.09 120.62,7.29 115.24,7.29 114.97,7.57 v1(113.86,7.57)
  Bottom w0.2: v1(165.68,19.67) 164.97,20.39 106.94,20.39 v1(106.71,20.16) ; v1(113.86,7.57) 106.57,7.57 105.62,6.62 v1(105.28,6.62)
SWO: length 79.2
  Top w0.2: J3.3 165.23,11.2 165.23,19.17 v1(164.91,19.49) ; U2.AD22 120.57,8.8 116.47,8.8 116.33,8.94 114.88,8.94 113.93,9.9 113.93,11.2 114.15,11.42 114.15,13.25 114.14,19.22 v1(113.85,19.52)
  Bottom w0.2: v1(164.91,19.49) 164.33,20.07 114.39,20.07 v1(113.85,19.52)
USB_D+: length 265.1
  Top w0.2: v1(116.52,35.92) 116.72,35.72 116.72,35.03 117.25,34.5 117.25,27.09 117.37,26.96 117.37,26.28 117.25,26.15 117.25,12.6 117.58,12.27 U2.AD6 ; v1(253.75,38.05) 253.75,55.4 250.32,58.83 250.32,73.04 245.85,77.52 245.85,85.22 250.17,89.54 250.17,95.44 249.43,96.18 249.43,99.32 250.33,100.22 P1.B6 250.33,103.25 250.69,103.61 251.01,103.61 251.53,103.09 251.53,102.59 251.33,102.39 P1.A6 251.33,100.3 250.08,99.05 250.08,96.71 250.67,96.12 U3.5
  Bottom w0.2: J2.2 257.91,46.82 253.75,42.66 v1(253.75,38.05) 253.55,37.85 253.35,37.85 117.66,37.85 116.72,36.91 116.72,36.12 v1(116.52,35.92)
USB_D-: length 256.9
  Top w0.2: 250.61,95.72 250.49,95.6 250.49,89.4 246.32,85.23 246.32,77.68 250.77,73.23 250.77,59.01 254.38,55.41 254.38,37.72 v1(253.85,37.2) ; 250.61,95.72 U3.6 ; 250.61,95.72 249.76,96.58 249.76,99.18 250.83,100.26 P1.A7 250.83,102.74 v1(250.93,102.84) ; v1(252.29,102.98) 252.29,102.89 251.83,102.43 P1.B7 ; v1(117.37,35.92) 117.17,35.72 117.17,35.21 117.65,34.74 117.65,27.15 117.7,27.1 117.7,26.14 117.65,26.09 117.65,12.92 117.8,12.77 U2.AD4
  Bottom w0.2: v1(252.29,102.98) 252.15,102.84 v1(250.93,102.84) ; J2.3 256.91,44.28 254.35,41.72 254.35,37.7 v1(253.85,37.2) 253.65,37.39 253.35,37.4 117.84,37.4 117.17,36.73 117.17,36.12 v1(117.37,35.92)
Net-(C11-Pad2): length 3
  Top w0.62: C11.2 122.96,3.93 L4.1 121.06,4.92 R1.1
Net-(D1-A): length 242.3
  Top w0.2: R2.2 111.08,14.69 111.08,18.91 v1(111.37,19.2) ; v1(257.55,102.22) 257.55,102.79 259.41,104.65 259.41,105.77 D1.2 ; v1(253.35,19.82) 254.42,20.89 254.42,34.16 256.02,35.76 256.02,57.22 255.35,57.89 255.35,72.84 250.82,77.37 250.82,91.06 254.84,95.08 v1(255.18,95.08)
  Bottom w0.2: v1(257.55,102.22) 256.55,101.22 256.55,97.72 255.18,96.35 v1(255.18,95.08) ; v1(253.35,19.82) 252.44,18.91 111.65,18.91 v1(111.37,19.2)
